# Altium PCB VNA_v5.PcbDoc (part 1 of 3) (continued)
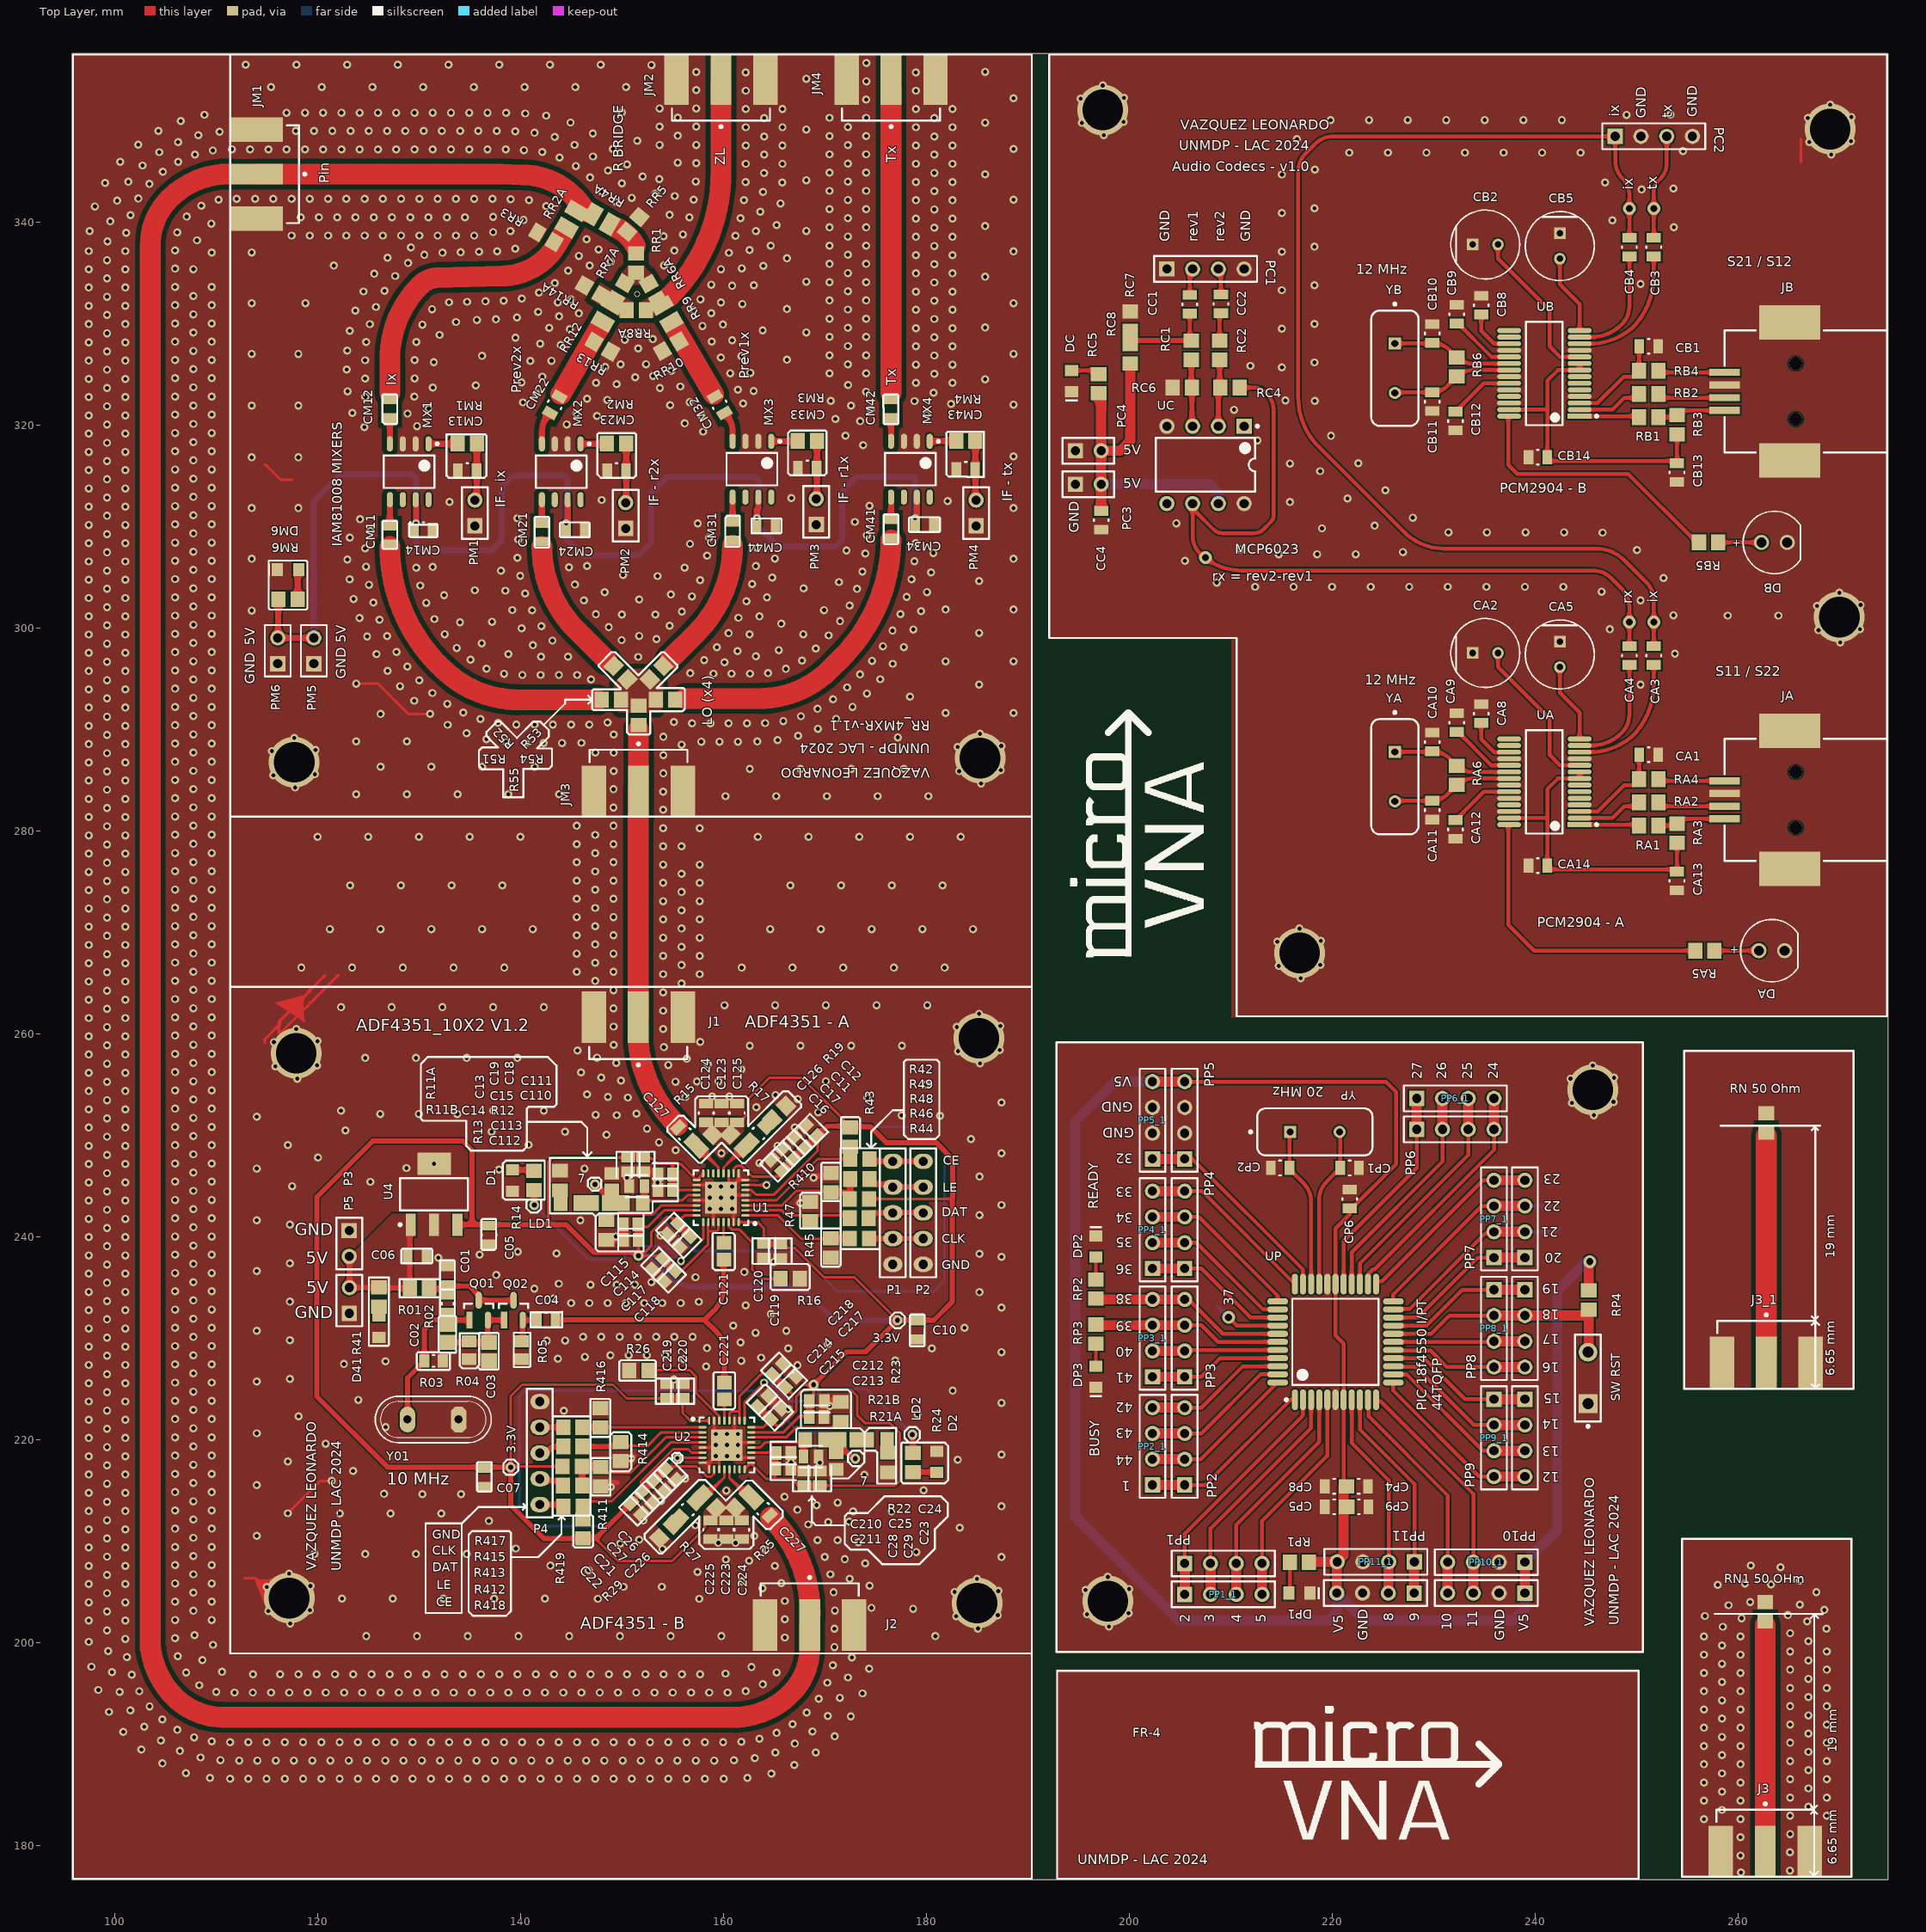
[diagram p0: Top Layer view]
## Components (designator, comment, footprint, x,y, rotation, side; value= is the part's Value field where it differs from the comment)
C01 "0.1 uF" FP-CC0805-0_85-MFG 132.8,236.14 r90 top value="100 nF"
C02 "100 pF" CAPC2013X88X50ML20T25 132.831,230.451 r90 top
C03 "100 pF" CAPC2013X88X50ML20T25 136.9,228.65 r90 top
C04 "0.1 uF" FP-CC0805-0_85-MFG 142.53,231.77 r0 top value="100 nF"
C05 "0.1 uF" FP-CC0805-0_85-MFG 136.9,240.14 r90 top value="100 nF"
C06 "0.1 uF" FP-CC0805-0_85-MFG 129.8,238.1 r180 top value="100 nF"
C07 "0.1 uF" FP-CC0805-0_85-MFG 136.43,216.27 r270 top value="100 nF"
C08 "0.1 uF" FP-CC0805-0_85-MFG 160.93,234.09 r270 bottom value="100 nF"
C09 "0.1 uF" FP-CC0805-0_85-MFG 159.06,235.95 r270 bottom value="100 nF"
C10 "0.1 uF" FP-CC0805-0_85-MFG 179.11,230.79 r270 top value="100 nF"
C11 "10 pF" FP-CL21-IPC_C 167.49,249.28 r135 top
C12 "100 nF" FP-CL21-IPC_C 168.64,250.38 r135 top
C13 "2.7 nF" CAPC2013X130X50NL20T20 148.98,245.4 r270 top
C14 "47 nF" CAPC2013X100X50ML20T25 147.88,243.3 r0 top
C15 "680 pF" FP-C0805C-DN-MFG 151.46,244.97 r180 top
C16 "10 pF" FP-CL21-IPC_C 165.29,247.07 r135 top
C17 "100 nF" FP-CL21-IPC_C 166.36,248.16 r135 top
C18 "10 pF" FP-CL21-IPC_C 152.1,247.1 r270 top
C19 "100 nF" FP-CL21-IPC_C 150.59,247.1 r270 top
C21 "10 pF" FP-CL21-IPC_C 152.49,214.3 r315 top
C22 "10 pF" FP-CL21-IPC_C 151.41,213.2 r315 top
C23 "2.7 nF" CAPC2013X130X50NL20T20 171.12,217.87 r90 top
C24 "47 nF" CAPC2013X100X50ML20T25 172.29,219.97 r180 top
C25 "680 pF" FP-C0805C-DN-MFG 168.64,218.3 r0 top
C26 "10 pF" FP-CL21-IPC_C 154.78,216.5 r315 top
C27 "100 nF" FP-CL21-IPC_C 153.66,215.44 r315 top
C28 "10 pF" FP-CL21-IPC_C 168,216.17 r90 top
C29 "100 nF" FP-CL21-IPC_C 169.51,216.17 r90 top
C110 "10 pF" FP-CL21-IPC_C 154.27,244.59 r180 top
C111 "100 nF" FP-CL21-IPC_C 154.27,246.12 r180 top
C112 "10 pF" FP-CL21-IPC_C 150.88,239.65 r180 top
C113 "100 nF" FP-CL21-IPC_C 150.85,241.19 r180 top
C114 "10 pF" FP-CL21-IPC_C 156.166,239.552 r225 top
C115 "100 nF" FP-CL21-IPC_C 155.05,240.68 r225 top
C117 "10 pF" FP-CL21-IPC_C 153.553,237.24 r225 top
C118 "100 nF" FP-CL21-IPC_C 154.65,236.14 r225 top
C119 "10 pF" FP-CL21-IPC_C 165.6,238.55 r270 top
C120 "100 nF" FP-CL21-IPC_C 164,238.6 r270 top
C121 "1 nF" CAPC2013X94X50NL20T25 160.04,238.54 r90 top
C123 "120 pF" FP-CC0805-0_85-MFG 159.81,252.17 r90 top value="100 nF"
C124 "0.1 uF" FP-CC0805-0_85-MFG 158.3,252.18 r90 top value="100 nF"
C125 "120 pF" FP-CC0805-0_85-MFG 161.36,252.17 r90 top value="100 nF"
C126 "0.1 uF" FP-CC0805-0_85-MFG 163.45,250.15 r45 top value="100 nF"
C127 "0.1 uF" FP-CC0805-0_85-MFG 156.19,250.11 r135 top value="100 nF"
C210 "10 pF" FP-CL21-IPC_C 165.92,218.66 r0 top
C211 "100 nF" FP-CL21-IPC_C 165.91,217.11 r0 top
C212 "10 pF" FP-CL21-IPC_C 169.21,223.79 r0 top
C213 "100 nF" FP-CL21-IPC_C 169.2,222.23 r0 top
C214 "10 pF" FP-CL21-IPC_C 163.95,223.7 r45 top
C215 "100 nF" FP-CL21-IPC_C 165.14,222.54 r45 top
C217 "10 pF" FP-CL21-IPC_C 166.57,225.712 r45 top
C218 "100 nF" FP-CL21-IPC_C 165.382,226.872 r45 top
C219 "10 pF" FP-CL21-IPC_C 154.46,224.76 r90 top
C220 "100 nF" FP-CL21-IPC_C 155.97,224.76 r90 top
C221 "1 nF" CAPC2013X94X50NL20T25 160.089,224.781 r270 top
C223 "120 pF" FP-CC0805-0_85-MFG 160.29,211.1 r270 top value="100 nF"
C224 "0.1 uF" FP-CC0805-0_85-MFG 161.81,211.09 r270 top value="100 nF"
C225 "120 pF" FP-CC0805-0_85-MFG 158.74,211.1 r270 top value="100 nF"
C226 "0.1 uF" FP-CC0805-0_85-MFG 156.49,213.07 r225 top value="100 nF"
C227 "0.1 uF" FP-CC0805-0_85-MFG 163.91,213.16 r315 top value="100 nF"
CA1 "1 uF" FP-CC0805-0_85-MFG 251.206,287.486 r180 top value="100 nF"
CA2 "10 uF" FP-RAD-TH-D_6_3_0_5-L_7_1-MFG 235.097,297.519 r0 top
CA3 "1 uF" FP-CC0805-0_85-MFG 251.714,297.265 r270 top value="100 nF"
CA4 "1 uF" FP-CC0805-0_85-MFG 249.301,297.265 r270 top value="100 nF"
CA5 "10 uF" FP-RAD-TH-D_6_3_0_5-L_7_1-MFG 242.443,297.372 r270 top
CA8 "1 uF" FP-CC0805-0_85-MFG 234.696,291.55 r270 top value="100 nF"
CA9 "1 uF" FP-CC0805-0_85-MFG 232.283,290.661 r270 top value="100 nF"
CA10 "10 pF" FP-CC0805-0_85-MFG 229.87,288.756 r270 top value="100 nF"
CA11 "10 pF" FP-CC0805-0_85-MFG 229.87,282.025 r90 top value="100 nF"
CA12 "1 uF" FP-CC0805-0_85-MFG 232.156,280.12 r90 top value="100 nF"
CA13 "1 uF" FP-CC0805-0_85-MFG 254,275.04 r270 top value="100 nF"
CA14 "1 uF" FP-CC0805-0_85-MFG 240.284,276.564 r0 top value="100 nF"
CB1 "1 uF" FP-CC0805-0_85-MFG 251.206,327.745 r180 top value="100 nF"
CB2 "10 uF" FP-RAD-TH-D_6_3_0_5-L_7_1-MFG 235.097,337.778 r0 top
CB3 "1 uF" FP-CC0805-0_85-MFG 251.714,337.524 r270 top value="100 nF"
CB4 "1 uF" FP-CC0805-0_85-MFG 249.301,337.524 r270 top value="100 nF"
CB5 "10 uF" FP-RAD-TH-D_6_3_0_5-L_7_1-MFG 242.443,337.631 r270 top
CB8 "1 uF" FP-CC0805-0_85-MFG 234.696,331.809 r270 top value="100 nF"
CB9 "1 uF" FP-CC0805-0_85-MFG 232.283,330.92 r270 top value="100 nF"
CB10 "10 pF" FP-CC0805-0_85-MFG 229.87,329.015 r270 top value="100 nF"
CB11 "10 pF" FP-CC0805-0_85-MFG 229.87,322.284 r90 top value="100 nF"
CB12 "1 uF" FP-CC0805-0_85-MFG 232.156,320.379 r90 top value="100 nF"
CB13 "1 uF" FP-CC0805-0_85-MFG 254,315.299 r270 top value="100 nF"
CB14 "1 uF" FP-CC0805-0_85-MFG 240.284,316.823 r0 top value="100 nF"
CC1 "0.1 uF" FP-CC0805-0_85-MFG 205.973,331.891 r90 top value="100 nF"
CC2 "0.1 uF" FP-CC0805-0_85-MFG 209.042,331.936 r90 top value="100 nF"
CC3 "0.1 uF" FP-CC0805-0_85-MFG 214.122,314.41 r0 bottom value="100 nF"
CC4 "0.1 uF" FP-CC0805-0_85-MFG 197.231,310.6 r270 top value="100 nF"
CM11 "1 nF" FP-CC0805-0_85-MFG 127.121,309.159 r90 top value="100 nF"
CM12 "1 nF" FP-CC0805-0_85-MFG 127.121,321.605 r270 top value="100 nF"
CM13 "1 nF" FP-CC0805-0_85-MFG 134.741,315.509 r0 top value="100 nF"
CM14 "1 nF" FP-CC0805-0_85-MFG 130.423,309.667 r0 top value="100 nF"
CM15 "0.1UF" FP-CC0805-0_85-MFG 118.612,303.698 r180 bottom value="100 nF"
CM21 "1 nF" FP-CC0805-0_85-MFG 142.107,309.413 r90 top value="100 nF"
CM22 "1 nF" FP-CC0805-0_85-MFG 143.377,321.986 r240 top value="100 nF"
CM23 "1 nF" FP-CC0805-0_85-MFG 149.473,315.509 r0 top value="100 nF"
CM24 "1 nF" FP-CC0805-0_85-MFG 145.409,309.667 r0 top value="100 nF"
CM31 "1 nF" FP-CC0805-0_85-MFG 160.903,309.54 r90 top value="100 nF"
CM32 "1 nF" FP-CC0805-0_85-MFG 159.633,321.986 r300 top value="100 nF"
CM33 "1 nF" FP-CC0805-0_85-MFG 168.269,315.763 r0 top value="100 nF"
CM34 "1 nF" FP-CC0805-0_85-MFG 179.826,310.175 r0 top value="100 nF"
CM41 "1 nF" FP-CC0805-0_85-MFG 176.524,309.758 r90 top value="100 nF"
CM42 "1 nF" FP-CC0805-0_85-MFG 176.524,321.605 r270 top value="100 nF"
CM43 "1 nF" FP-CC0805-0_85-MFG 183.89,315.636 r0 top value="100 nF"
CM44 "1 nF" FP-CC0805-0_85-MFG 164.205,310.048 r0 top value="100 nF"
CP1 "220 pF" FP-CC0805-0_85-MFG 221.73,246.753 r180 top value="100 nF"
CP2 "220 pF" FP-CC0805-0_85-MFG 214.872,246.753 r0 top value="100 nF"
CP3 "220 pF" FP-CC0805-0_85-MFG 208.268,233.672 r315 bottom value="100 nF"
CP4 "1 uF" FP-CC0805-0_85-MFG 222.619,215.384 r180 top value="100 nF"
CP5 "1 uF" FP-CC0805-0_85-MFG 220.206,213.352 r0 top value="100 nF"
CP6 "100 nF" FP-CC0805-0_85-MFG 221.73,243.705 r270 top
CP7 "220 pF" FP-CC0805-0_85-MFG 199.886,254.373 r270 bottom value="100 nF"
CP8 "1 uF" FP-CC0805-0_85-MFG 220.206,215.384 r0 top value="100 nF"
CP9 "1 uF" FP-CC0805-0_85-MFG 222.655,213.352 r180 top value="100 nF"
D1 "LED Red" WL-SMCW_0805_150080xx75000 139.21,245.51 r90 top
D2 "LED Red" WL-SMCW_0805_150080xx75000 181.03,217.78 r270 top
D41 "LED Red" WL-SMCW_0805_150080xx75000 126.04,231.11 r90 top
DA "151051BS04000" WL-TMRC_D5.9H8.7 263.34,268.175 r0 top
DB "151051BS04000" WL-TMRC_D5.9H8.7 263.592,308.413 r0 top
DC "LED Red" WL-SMCW_0805_150080xx75000 194.31,324.316 r90 top
DM6 "LED Red" WL-SMCW_0805_150080xx75000 117.088,305.73 r0 top
DP1 "LED Red" WL-SMCW_0805_150080xx75000 216.777,204.843 r180 top
DP2 "LED Red" WL-SMCW_0805_150080xx75000 196.711,239.006 r270 top
DP3 "LED Red" WL-SMCW_0805_150080xx75000 196.711,226.179 r90 top
J1 "142-0701-801" FP-142-0701-801-MFG 151.61,264.887 r90 top
J2 "142-0701-801" FP-142-0701-801-MFG 168.5,198.413 r270 top
J3 "142-0701-801" FP-142-0701-801-MFG 262.7,176.1 r270 top
J3_1 "142-0701-801" FP-142-0701-801-MFG 262.8,224.3 r270 top
JA "62910416121" 62910416121 266.7,283.041 r90 top
JB "62910416121" 62910416121 266.7,323.3 r90 top
JM1 "142-0701-801" FP-142-0701-801-MFG 110.763,344.719 r180 top
JM2 "142-0701-801" FP-142-0701-801-MFG 159.758,357.377 r90 top
JM3 "142-0701-801" FP-142-0701-801-MFG 151.632,280.584 r270 top
JM4 "142-0701-801" FP-142-0701-801-MFG 176.524,357.377 r90 top
MX1 "IAM-81008" IAM-81008 129.026,315.382 r270 top
MX2 "IAM-81008" IAM-81008 144.012,315.382 r270 top
MX3 "IAM-81008" IAM-81008 162.808,315.636 r270 top
MX4 "IAM-81008" IAM-81008 178.429,315.636 r270 top
P1 "Header 5" HDR1X5 176.7,247.412 r270 top
P2 "Header 5" HDR1X5 179.7,247.412 r270 top
P3 "Header 2" HDR1X2 123.11,240.58 r270 top
P4 "Header 5" HDR1X5 141.91,223.73 r270 top
P5 "Header 2" HDR1X2 123.13,232.42 r90 top
PC1 "Header 4" HDR1X4 203.708,335.365 r0 top
PC2 "Header 4" HDR1X4 247.904,348.446 r0 top
PC3 "Header 2" HDR1X2 194.691,314.156 r0 top
PC4 "Header 2" HDR1X2 194.691,317.458 r0 top
PM1 "Header 2" HDR1X2 135.503,310.048 r90 top
PM2 "Header 2" HDR1X2 150.362,309.794 r90 top
PM3 "Header 2" HDR1X2 169.158,310.175 r90 top
PM4 "Header 2" HDR1X2 184.906,310.048 r90 top
PM5 "Header 2" HDR1X2 119.628,296.459 r90 top
PM6 "Header 2" HDR1X2 116.072,296.459 r90 top
PP1 "Header 4" HDR1X4 205.474,207.764 r0 top
PP1_1 "Header 4" HDR1X4 205.474,204.716 r0 top
PP2 "Header 4" HDR1X4 205.474,215.511 r90 top
PP2_1 "Header 4" HDR1X4 202.299,215.511 r90 top
PP3 "Header 4" HDR1X4 205.474,226.179 r90 top
PP3_1 "Header 4" HDR1X4 202.299,226.179 r90 top
PP4 "Header 4" HDR1X4 205.474,236.847 r90 top
PP4_1 "Header 4" HDR1X4 202.299,236.847 r90 top
PP5 "Header 4" HDR1X4 205.474,247.642 r90 top
PP5_1 "Header 4" HDR1X4 202.299,247.642 r90 top
PP6 "Header 4" HDR1X4 228.334,250.563 r0 top
PP6_1 "Header 4" HDR1X4 228.334,253.611 r0 top
PP7 "Header 4" HDR1X4 239.002,237.924 r90 top
PP7_1 "Header 4" HDR1X4 235.954,237.924 r90 top
PP8 "Header 4" HDR1X4 239.002,234.749 r270 top
PP8_1 "Header 4" HDR1X4 235.954,234.749 r270 top
PP9 "Header 4" HDR1X4 239.002,223.954 r270 top
PP9_1 "Header 4" HDR1X4 235.954,223.954 r270 top
PP10 "Header 4" HDR1X4 239.002,204.843 r180 top
PP10_1 "Header 4" HDR1X4 239.002,207.891 r180 top
PP11 "Header 4" HDR1X4 228.08,204.843 r180 top
PP11_1 "Header 4" HDR1X4 228.114,207.932 r180 top
Q01 "2N3904" FP-SOT23-IPC_A 135.879,232.737 r90 top
Q02 "2N3904" FP-SOT23-IPC_A 139.308,232.737 r90 top
R01 "100 Ohm" RESC2013X60X40ML20T25#1 130.034,234.91 r180 top
R02 "10k Ohm" RESC2013X60X35NL10T20 132.831,233.372 r90 top
R03 "10k Ohm" RESC2013X60X35NL10T20 131.43,227.74 r180 top
R04 "1K2 Ohm" RESC2013X70X40NL20T20 134.94,228.79 r90 top
R05 "2K2 ohm" RESC2013X70X40NL20T20 140.09,228.79 r90 top
R11A "360 Ohm" RESC2013X70X40ML20T20 143.9,245.5 r270 top
R11B "360 Ohm" RESC2013X70X40ML20T20 144.94,243.3 r0 top
R12 "680 Ohm" RESC2013X70X40ML20T20 151.07,243.3 r0 top
R13 "4K7 Ohm" RESC2013X70X40ML20T20 148.46,240.64 r270 top
R14 "1 KOhm" RESC2013X60X40ML20T25#1 141.32,245.51 r270 top
R15 "50 Ohm" RESC2013X60X40ML20T25#1 158.27,249.36 r45 top
R16 "1 KOhm" RESC2013X60X40ML20T25#1 166.59,235.83 r0 top
R17 "50 Ohm" RESC2013X60X40ML20T25#1 161.34,249.38 r315 top
R19 "100 Ohm" RESC2013X60X40ML20T25#1 165.5,252.21 r45 top
R21A "360 Ohm" RESC2013X70X40ML20T20 176.2,217.7 r90 top
R21B "360 Ohm" RESC2013X70X40ML20T20 175.16,219.97 r180 top
R22 "680 Ohm" RESC2013X70X40ML20T20 169.03,219.97 r180 top
R23 "4K7 Ohm" RESC2013X70X40ML20T20 171.57,222.72 r90 top
R24 "1 KOhm" RESC2013X60X40ML20T25#1 178.67,217.73 r90 top
R25 "50 Ohm" RESC2013X60X40ML20T25#1 161.83,213.91 r225 top
R26 "1 KOhm" RESC2013X60X40ML20T25#1 151.68,226.78 r180 top
R27 "50 Ohm" RESC2013X60X40ML20T25#1 158.64,213.88 r135 top
R29 "100 Ohm" RESC2013X60X40ML20T25#1 154.34,210.93 r225 top
R41 "1 KOhm" RESC2013X60X40ML20T25#1 126.059,234.048 r90 top
R42 "1 KOhm" RESC2013X60X40ML20T25#1 173.43,247.64 r0 top
R43 "1 KOhm" RESC2013X60X40ML20T25#1 172.5,249.8 r90 top
R44 "1 KOhm" RESC2013X60X40ML20T25#1 173.39,239.8 r0 top
R45 "1 KOhm" RESC2013X60X40ML20T25#1 170.58,238.86 r90 top
R46 "1 KOhm" RESC2013X60X40ML20T25#1 173.38,241.81 r0 top
R47 "1 KOhm" RESC2013X60X40ML20T25#1 168.56,242.47 r270 top
R48 "1 KOhm" RESC2013X60X40ML20T25#1 173.42,243.7 r0 top
R49 "1 KOhm" RESC2013X60X40ML20T25#1 173.45,245.66 r0 top
R51 "27 Ohm" RESC2013X60X40ML20T25#1 148.965,292.903 r0 top
R52 "27 Ohm" RESC2013X60X40ML20T25#1 149.854,295.57 r315 top
R53 "27 Ohm" RESC2013X60X40ML20T25#1 153.41,295.57 r225 top
R54 "27 Ohm" RESC2013X60X40ML20T25#1 154.299,292.903 r180 top
R55 "27 Ohm" RESC2013X60X40ML20T25#1 151.632,291.379 r270 top
R410 "1 KOhm" RESC2013X60X40ML20T25#1 170.6,245.32 r270 top
R411 "1 KOhm" RESC2013X60X40ML20T25#1 147.9,216.31 r90 top
R412 "1 KOhm" RESC2013X60X40ML20T25#1 145.13,215.46 r180 top
R413 "1 KOhm" RESC2013X60X40ML20T25#1 145.11,217.34 r180 top
R414 "1 KOhm" RESC2013X60X40ML20T25#1 149.87,218.8 r90 top
R415 "1 KOhm" RESC2013X60X40ML20T25#1 145.16,219.3 r180 top
R416 "1 KOhm" RESC2013X60X40ML20T25#1 147.88,222.14 r270 top
R417 "1 KOhm" RESC2013X60X40ML20T25#1 145.16,221.2 r180 top
R418 "1 KOhm" RESC2013X60X40ML20T25#1 145.17,213.37 r180 top
R419 "1 KOhm" RESC2013X60X40ML20T25#1 146.15,211.17 r270 top
RA1 "22 Ohm" RESC2013X60X40ML20T25#1 251.206,280.501 r180 top
RA2 "22 Ohm" RESC2013X60X40ML20T25#1 251.206,282.787 r0 top
RA3 "1.5 KOhm" RESC2013X60X40ML20T25#1 254,279.739 r90 top
RA4 "2.2" RESC2013X60X40ML20T25#1 251.206,285.073 r180 top
RA5 "1K Ohm" RESC2013X60X40ML20T25#1 256.736,268.175 r180 top
RA6 "1 MOhm" RESC2013X60X40ML20T25#1 232.283,285.454 r90 top
RB1 "22 Ohm" RESC2013X60X40ML20T25#1 251.206,320.76 r180 top
RB2 "22 Ohm" RESC2013X60X40ML20T25#1 251.206,323.046 r0 top
RB3 "1.5 KOhm" RESC2013X60X40ML20T25#1 254,319.998 r90 top
RB4 "2.2" RESC2013X60X40ML20T25#1 251.206,325.332 r180 top
RB5 "1K Ohm" RESC2013X60X40ML20T25#1 257.115,308.413 r180 top
RB6 "1 MOhm" RESC2013X60X40ML20T25#1 232.283,325.713 r90 top
RC1 "10K Ohm" RESC2013X60X40ML20T25#1 206.121,327.364 r90 top
RC2 "10K Ohm" RESC2013X60X40ML20T25#1 208.915,327.364 r90 top
RC4 "10K Ohm" RESC2013X60X40ML20T25#1 209.931,323.681 r180 top
RC5 "1 KOhm" RESC2013X60X40ML20T25#1 196.977,324.062 r270 top
RC6 "10K Ohm" RESC2013X60X40ML20T25#1 205.232,323.681 r180 top
RC7 "10K Ohm" RESC2013X60X40ML20T25#1 200.1,330.229 r90 top
RC8 "10K Ohm" RESC2013X60X40ML20T25#1 200.1,327 r270 top
RM1 "10K Ohm" RESC2013X60X40ML20T25#1 134.741,318.176 r180 top
RM2 "10K Ohm" RESC2013X60X40ML20T25#1 149.473,318.176 r180 top
RM3 "10K Ohm" RESC2013X60X40ML20T25#1 168.269,318.43 r180 top
RM4 "10K Ohm" RESC2013X60X40ML20T25#1 183.89,318.43 r180 top
RM6 "1 KOhm" RESC2013X60X40ML20T25#1 117.088,302.809 r180 top
"RN1 50 OHm" "50 Ohm" RESC2013X60X40ML20T25#1 262.7,203 r270 top
"RN 50 Ohm" "0 Ohm" RESC2013X60X40ML20T25#1 262.8,251.2 r270 top
RP1 "1 KOhm" RESC2013X60X40ML20T25#1 216.777,207.891 r0 top
RP2 "1 KOhm" RESC2013X60X40ML20T25#1 196.711,234.815 r270 top
RP3 "1 KOhm" RESC2013X60X40ML20T25#1 196.711,230.37 r90 top
RP4 "10 KOhm" RESC2013X60X40ML20T25#1 245.304,233.727 r270 top
RP5 "2k2 Ohm" RESC2013X60X40ML20T25#1 242.304,241.8 r90 bottom
RP6 "1 KOhm" RESC2013X60X40ML20T25#1 242.304,238.752 r90 bottom
RR1 "10 Ohm" RESC2013X60X40ML20T25#1 151.378,335.956 r270 top
RR2A "75 Ohm" RESC2013X60X40ML20T25#2 145.028,340.274 r60 top
RR3 "56 Ohm" RESC2013X60X40ML20T25#3 142.488,338.496 r150 top
RR4A "75 Ohm" RESC2013X60X40ML20T25#4 147.949,340.274 r150 top
RR5 "56 Ohm" RESC2013X60X40ML20T25#1 151.124,339.766 r50 top
RR6A "50 Ohm" RESC2013X60X40ML20T25#1 153.1,333.1 r120 top
RR7A "50 Ohm" RESC2013X60X40ML20T25#1 149.81,333.16 r60 top
RR8A "220 Ohm" RESC2013X60X40ML20T25#1 151.4,331.3 r180 top
RR9 "470 Ohm" RESC2013X60X40ML20T25#5 154.41,330.96 r120 top
RR10 "56 Ohm" RESC2013X60X40ML20T25#1 154.81,327.76 r210 top
RR12 "470 Ohm" RESC2013X60X40ML20T25#5 148.584,331.003 r60 top
RR13 "56 Ohm" RESC2013X60X40ML20T25#1 148.076,327.701 r330 top
RR14A "50 Ohm" RESC2013X60X40ML20T25#1 147.126,333.256 r150 top
"SW RST" "SW-PB" SPST-2 245.225,226.052 r90 top
U1 "ADF4351" ADI-CP-32-2_L 159.758,243.823 r180 top
U2 "ADF4351" ADI-CP-32-2_L 160.343,219.447 r0 top
U4 "MCP1703-5002E/DB" SOT-223-DB3_N 131.48,244.16 r90 top
UA "PCM2904DB" FP-DB0028A-IPC_A 240.919,284.819 r180 top
UB "PCM2904DB" FP-DB0028A-IPC_A 240.919,325.078 r180 top
UC "MCP6023-E/P" PDIP300-P8 207.518,316.061 r270 top
UP "PIC18F4550-I/PT" TQFP-PT44_M 220.333,229.608 r90 top
Y01 "XTAL" "Cristal mini" 131.4,221.96 r180 top
YA "12 MHz" FOX-FOXSLF160-20 226.187,285.327 r270 top
YB "12 MHz" FOX-FOXSLF160-20 226.187,325.586 r270 top
YP "20 MHz" FOX-FOXSLF160-20 218.301,250.309 r0 top
